# Altium PCB Proyecto0.PcbDoc (part 1 of 5)
Units mm, origin at the board's own origin, x right, y up, seen from the top; angles counter-clockwise.
Board outline 65 x 45 mm, 10 copper layers (TOP, GND[1], VDD[1], Signal[1], GND[2], VDD[2], Signal[2], GND[3], VDD[3], BOT), stack 2.029 mm thick; 188 components, 257 nets, 1107 pads, 1099 vias.
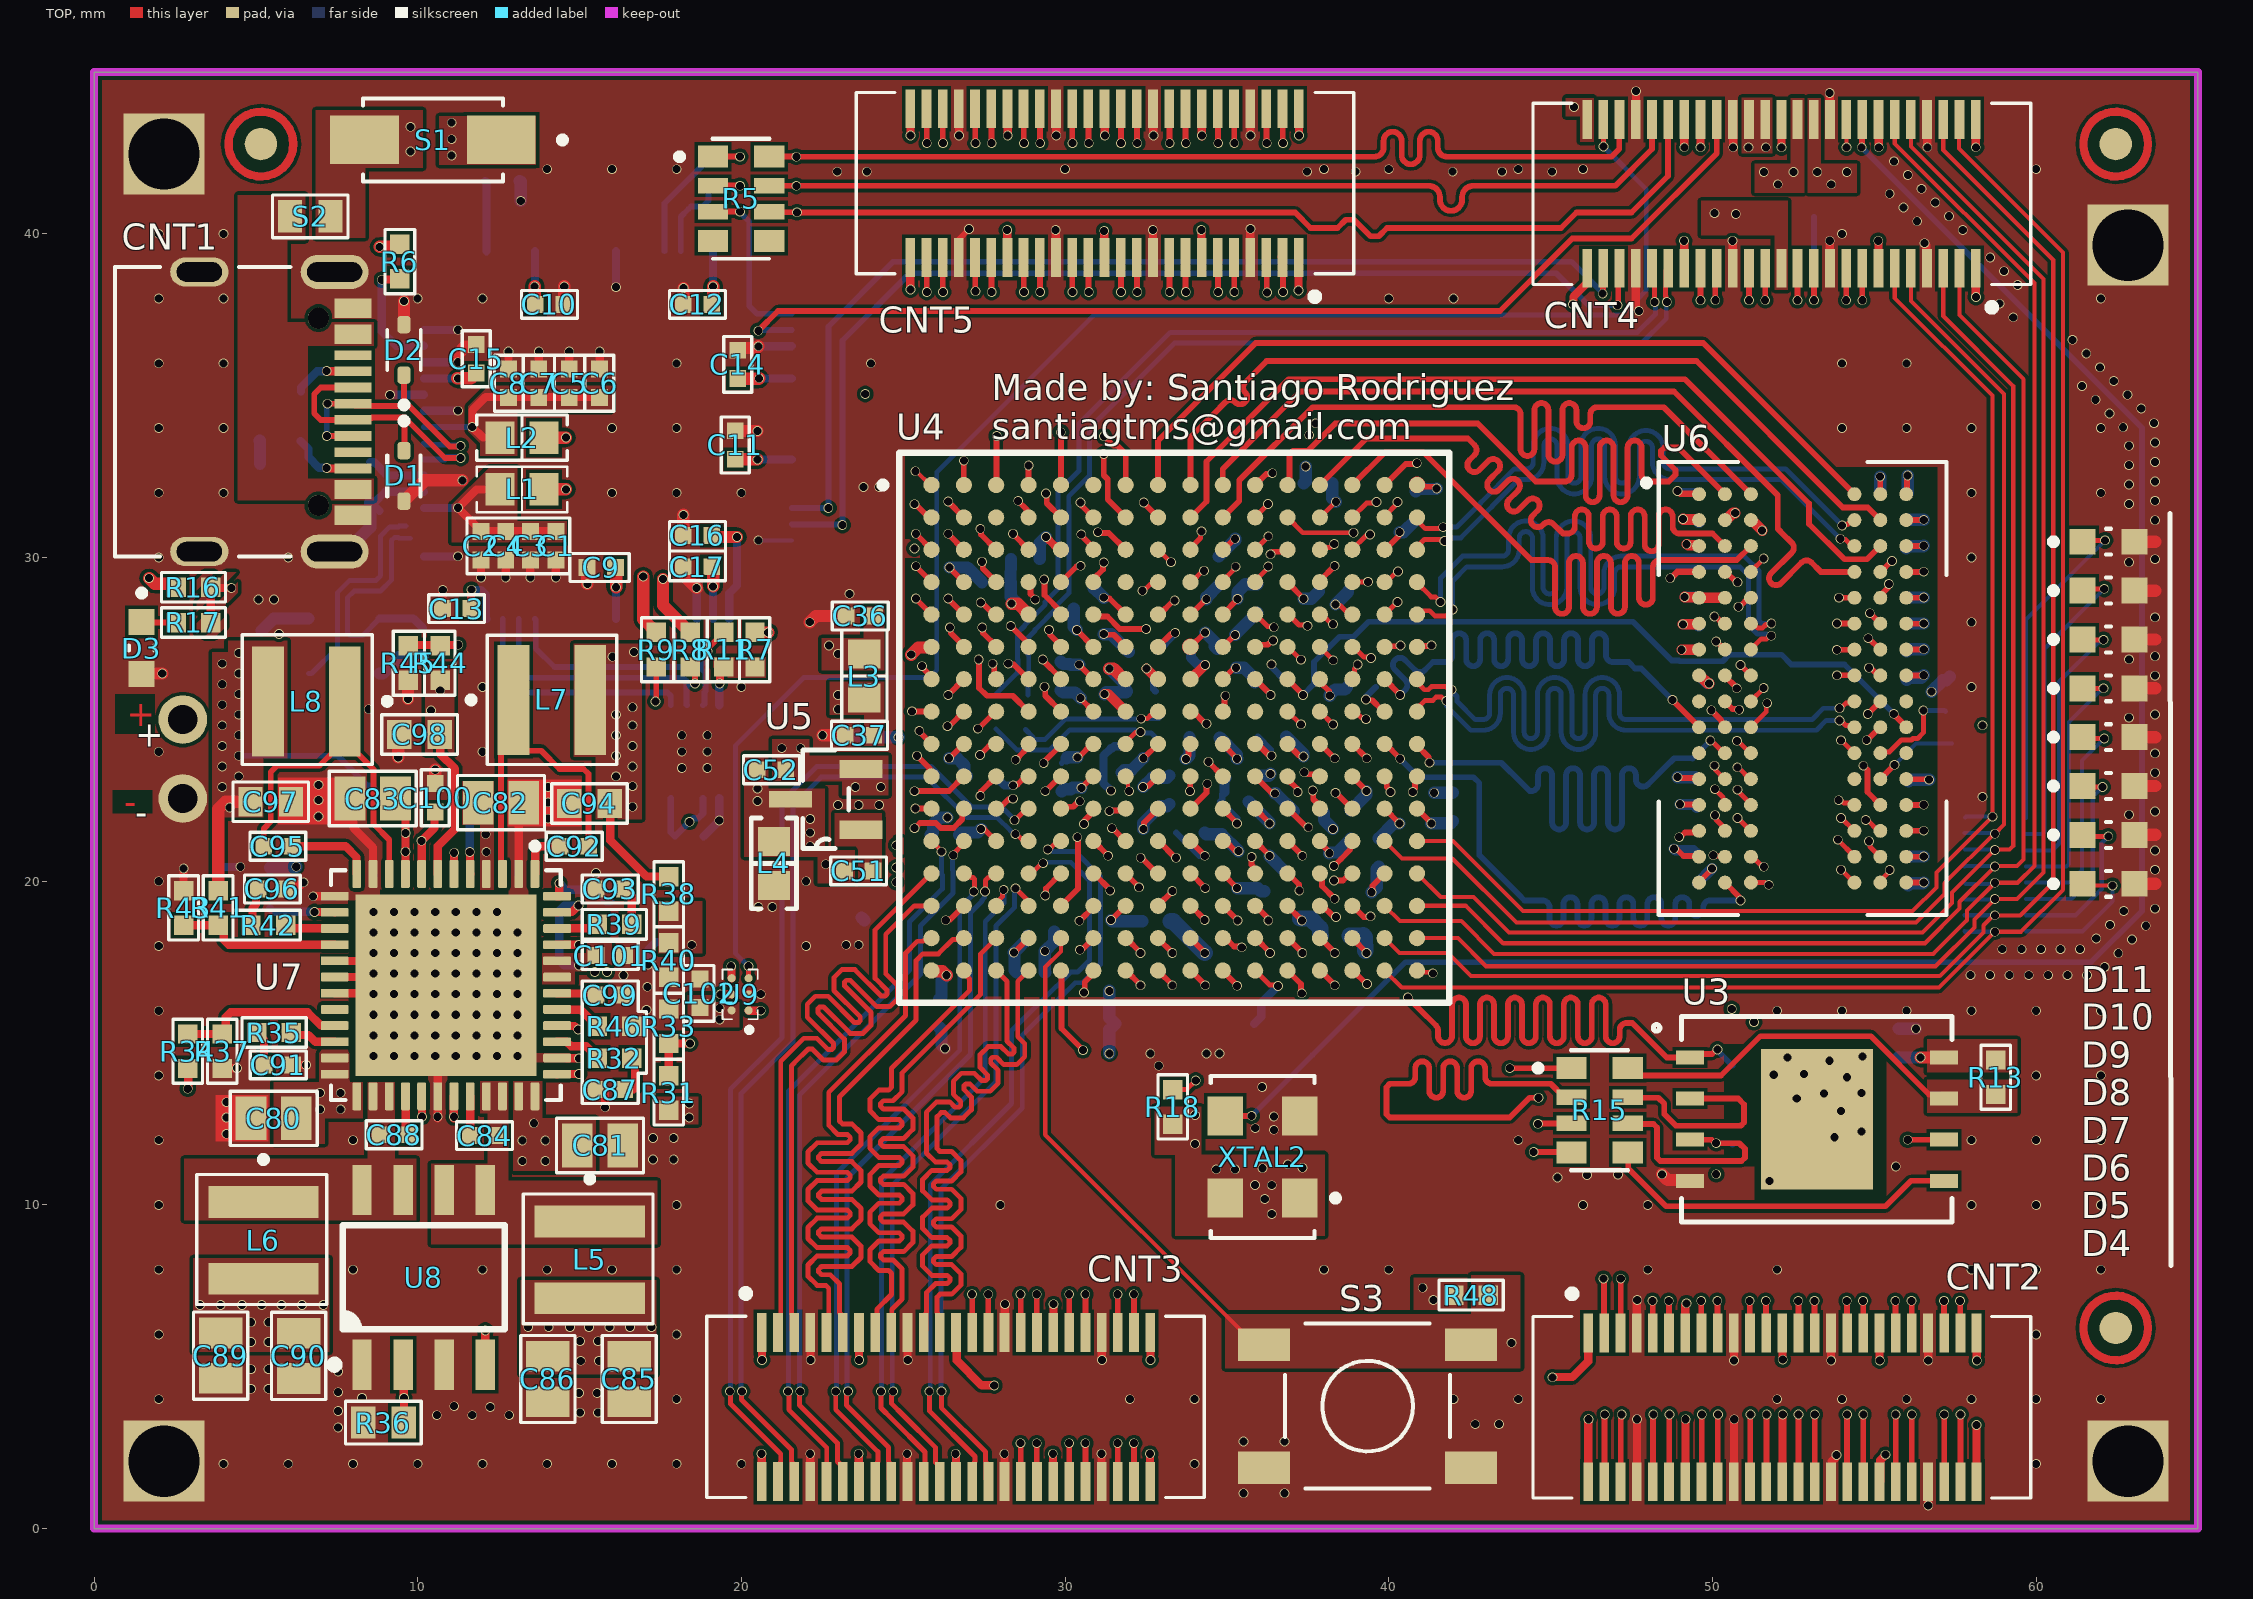
[diagram p0: TOP view]
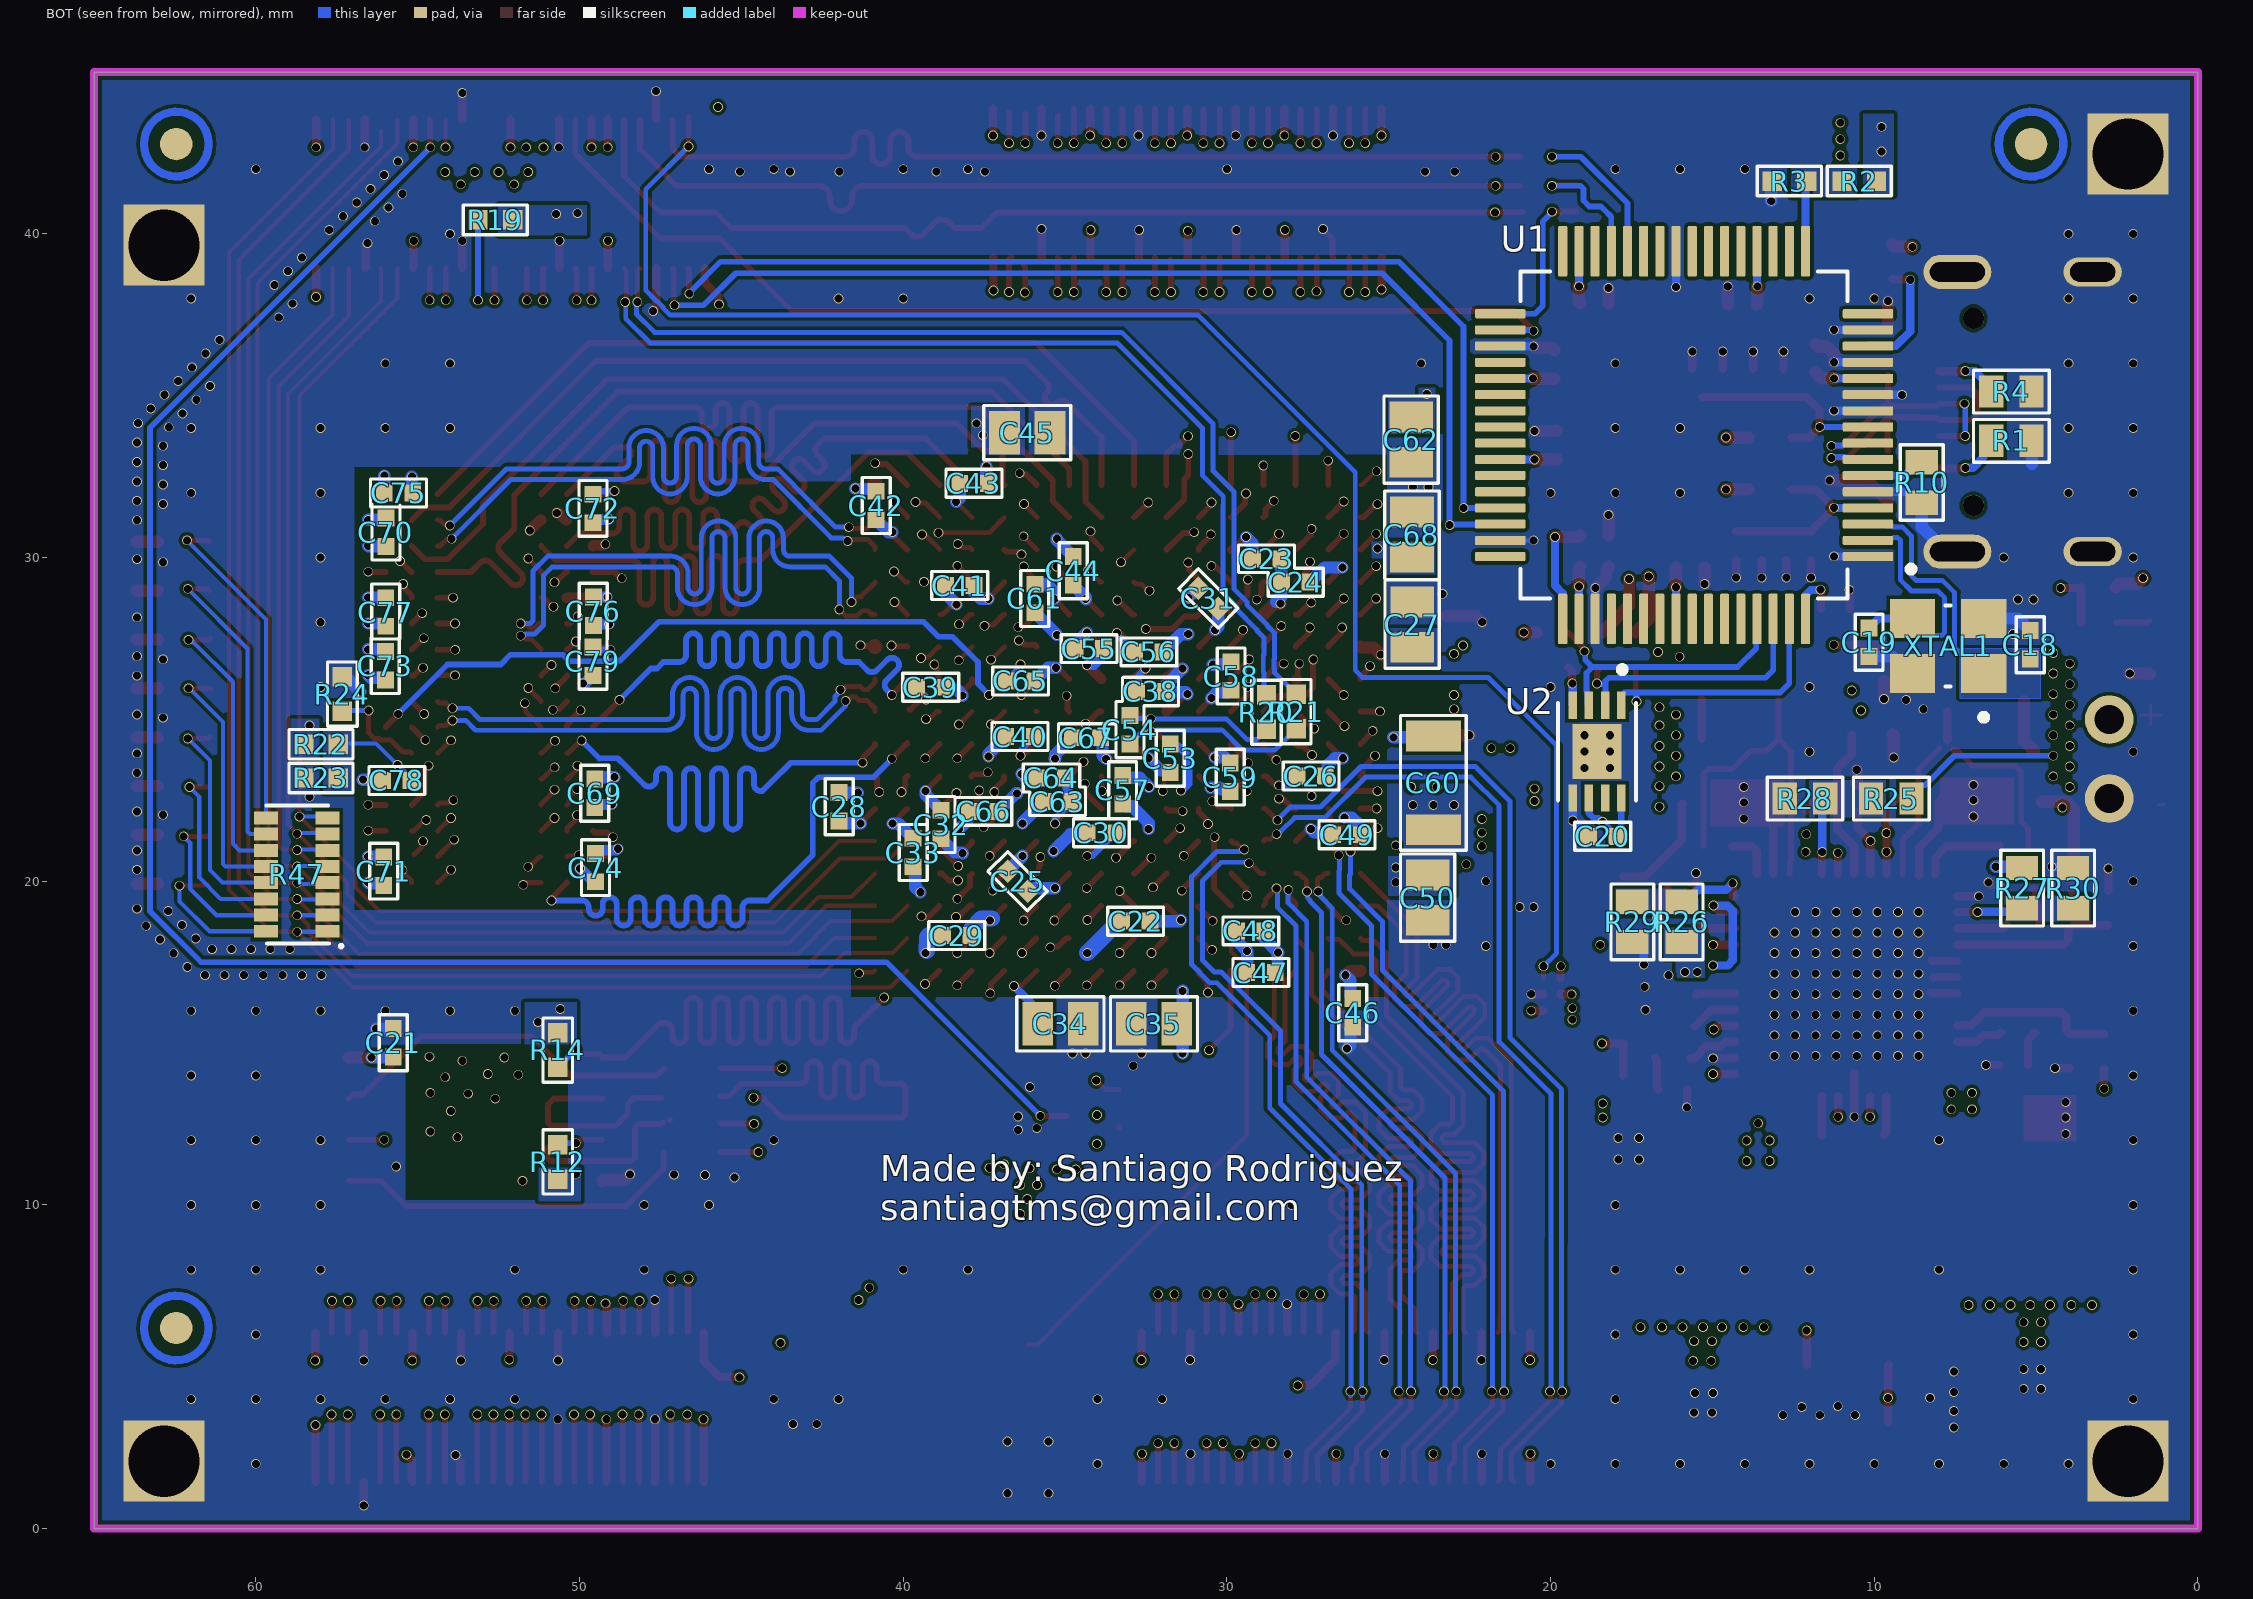
[diagram p1: BOT view, seen from below]
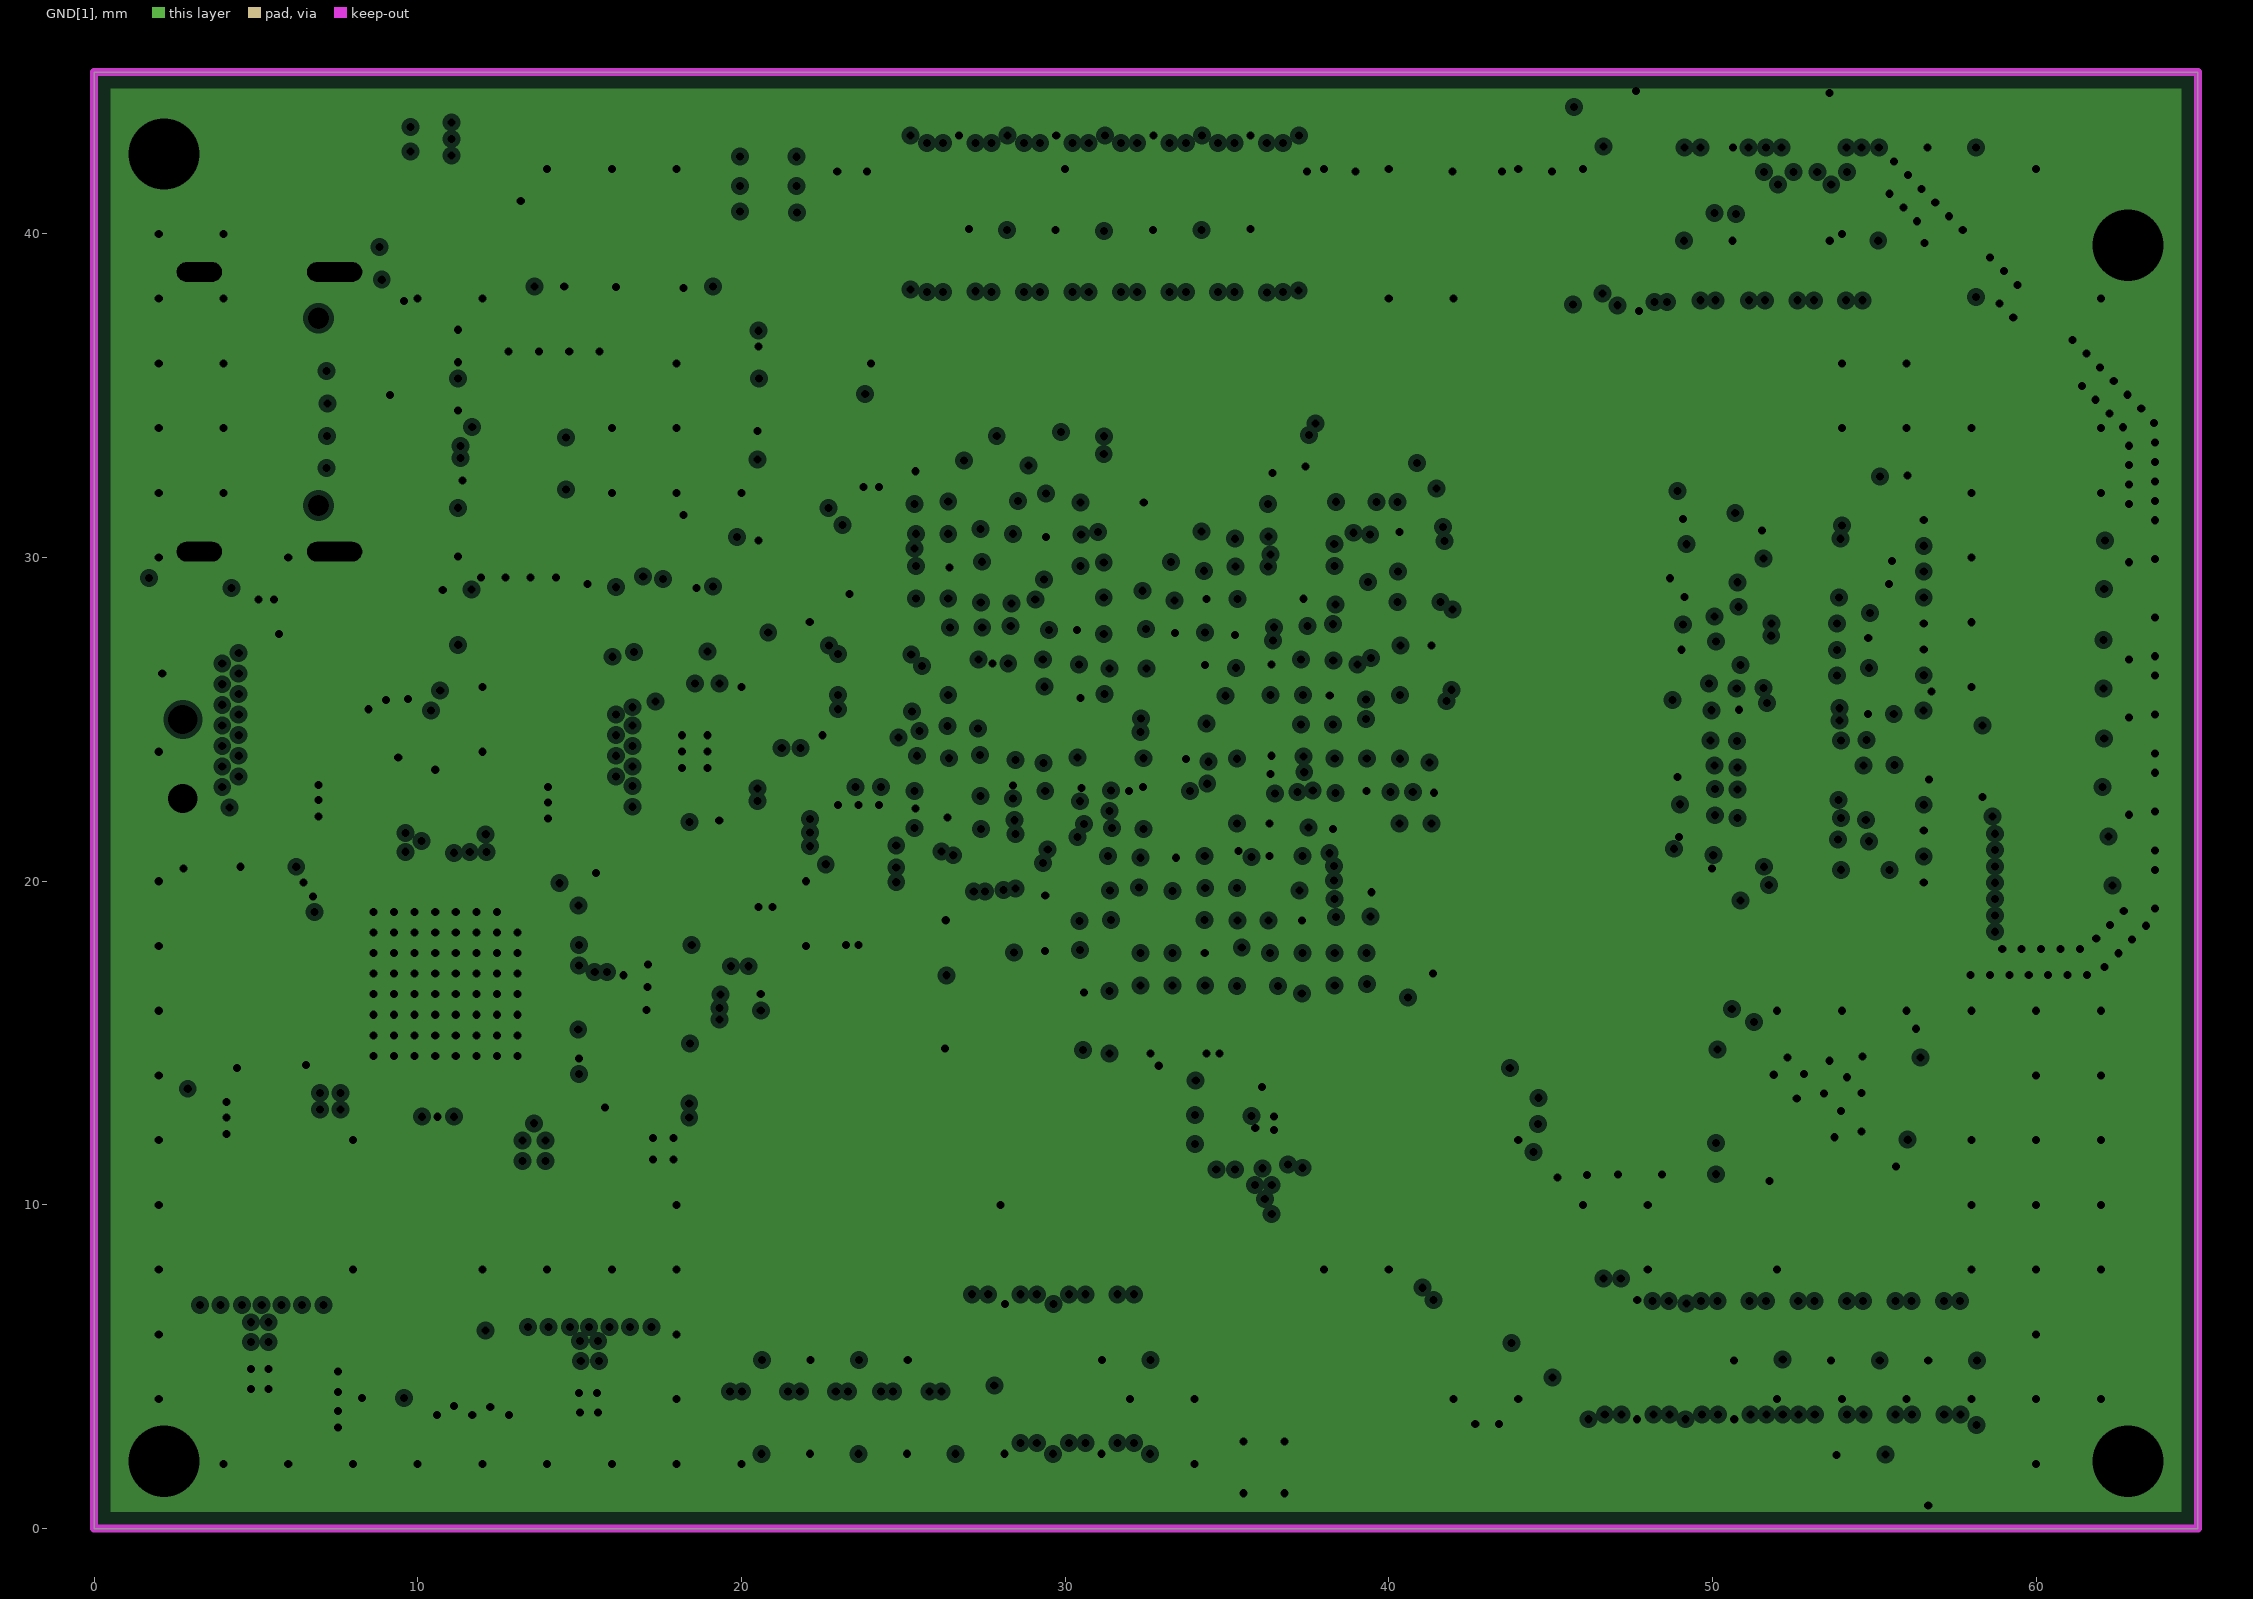
[diagram p2: GND[1], clearances drawn from the general rule]
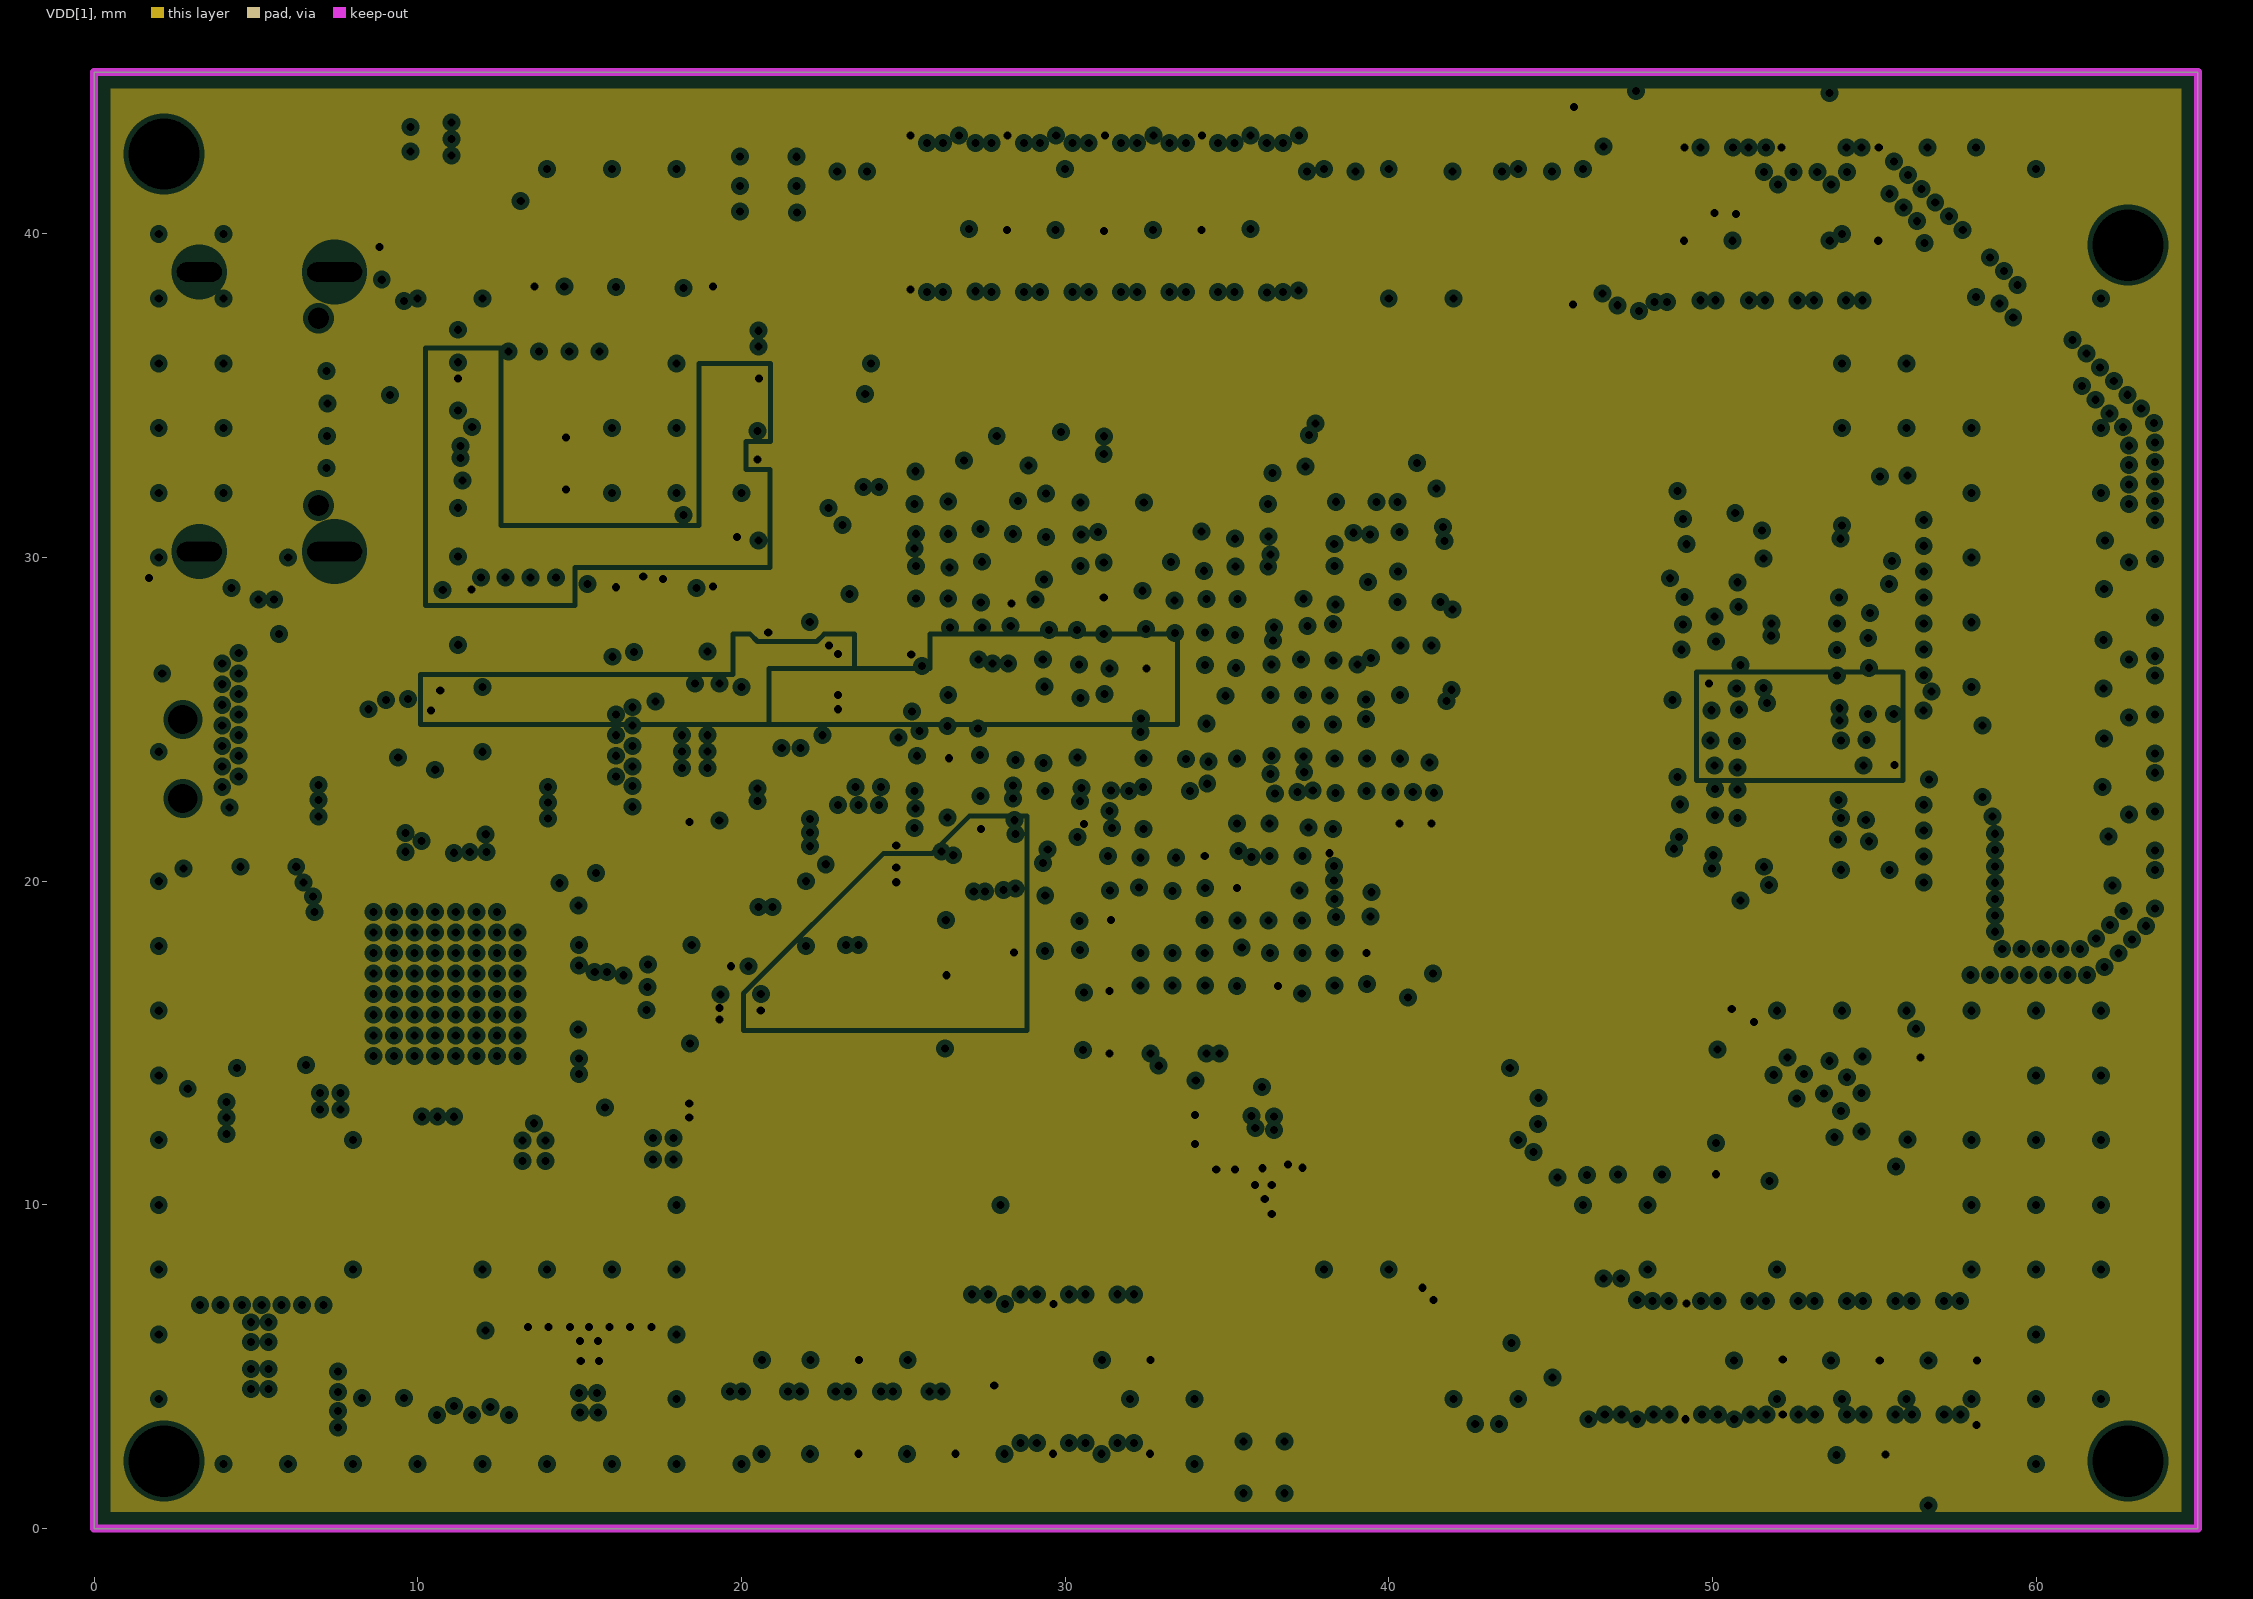
[diagram p3: VDD[1], clearances drawn from the general rule]